# Altium PCB Control_PCB_v1.0.PcbDoc (part 1 of 2) (continued)
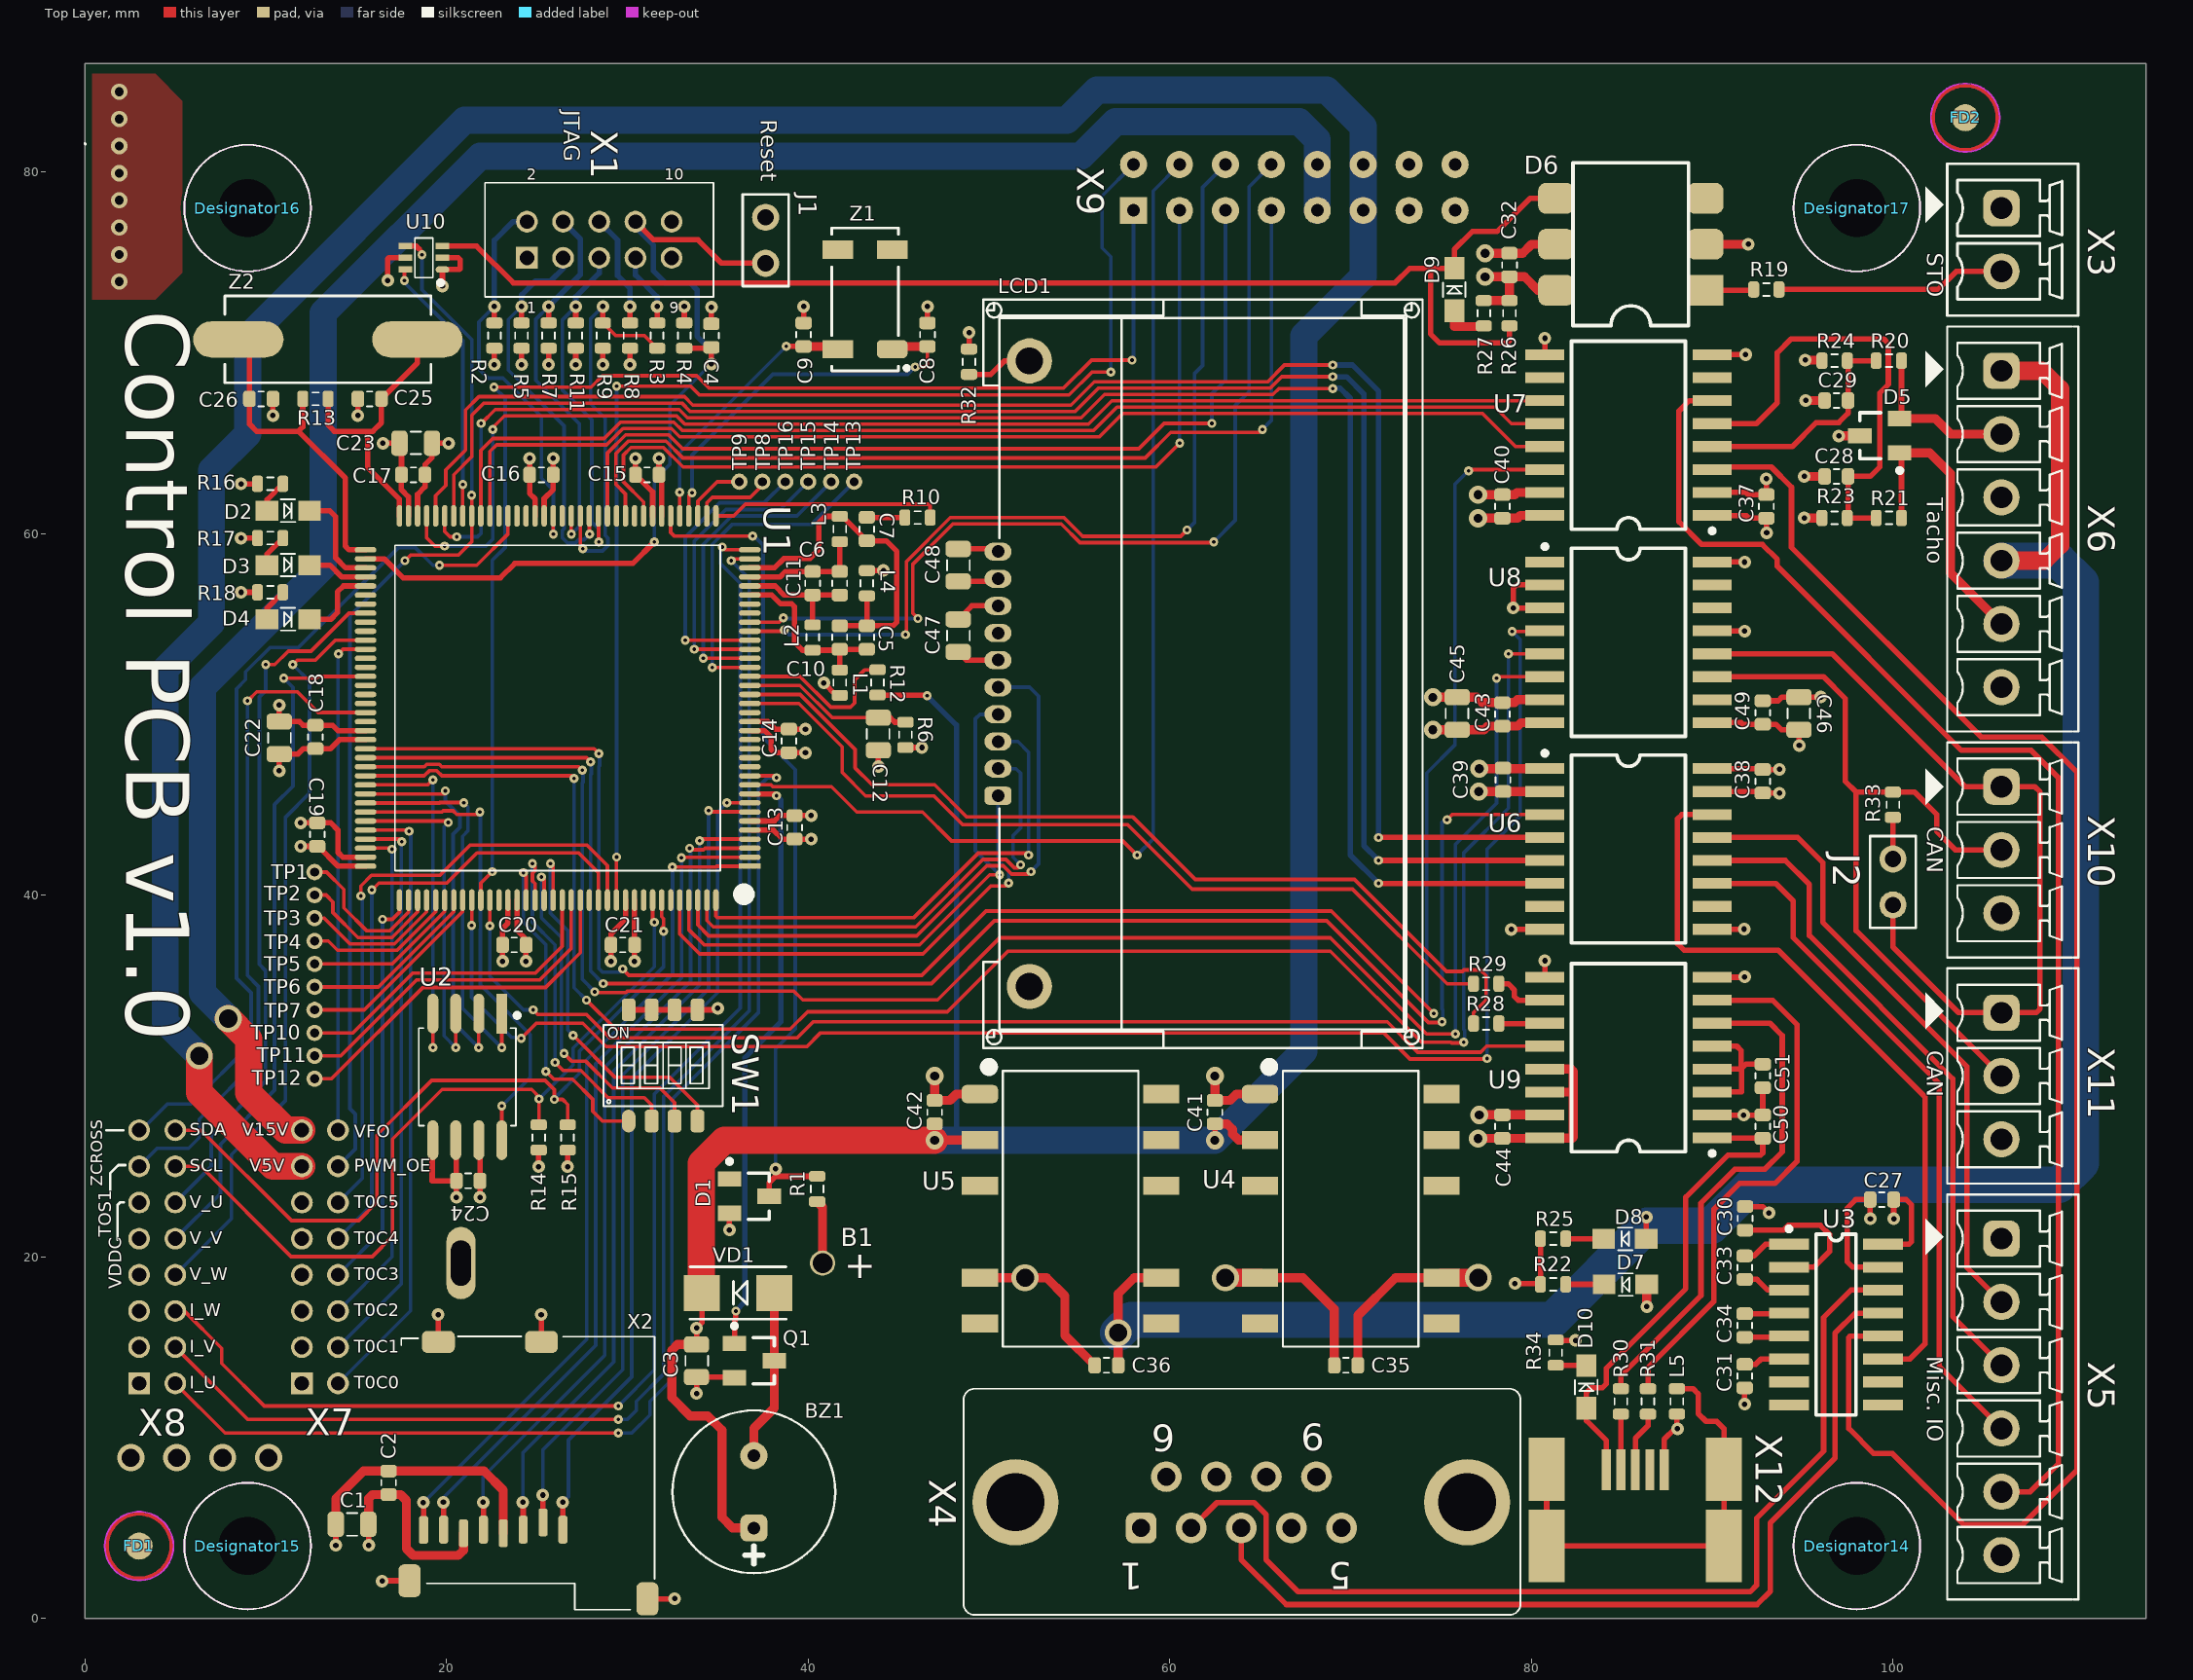
[diagram p0: Top Layer view]
## Footprints (in the part's own frame and the unit in brackets; to place one, negate y for a bottom-side part, rotate by r counter-clockwise, add the part's x,y. Pads: shape width x height; smd on the part's side, far side on the other; paste and mask are expansions set on the pad) (continued)
  silkscreen extent -4.5,-3.2 4.5,3.2, body extent -4.5,-3.2 4.5,3.2, height 5.08
"DISPLAY NHD-C0216CZ-FSW-FBW-3V3" [mm]
  rrect50% 1x1.5 hole 0.7: 1(13.5,0)
  oval 1x1.5 hole 0.7: 2(12,0) 3(10.5,0) 4(9,0) 5(7.5,0) 6(6,0) 7(4.5,0) 8(3,0) 9(1.5,0) 10(0,0)
  round 2.5 hole 1.5: 11(-10.55,1.738) 12(24.05,1.738)
  silkscreen extent -13.95,-0.81 27.45,23.49, body extent -13.89,-0.86 27.51,23.44, height 4.9
"FIDUCIAL ROUND" [mm] "FIDUCIAL ROUND"
  round 1.5 smd paste+0 mask+1.1: 0(0,0)
  round 1.5 smd far side paste+0 mask+1.1: 1(0,0)
  Top Layer circle w0.2: c0,0 r1.778
  Bottom Layer circle w0.2: c0,0 r1.778
  Keep-Out Layer circle w0.1: c0,0 r1.9
HDR1X2V [mm]
  round 1.5 hole 0.9: 1(0,0) 2(2.54,0)
  silkscreen extent -1.27,-1.27 3.81,1.27, body extent -1.27,-1.27 3.81,1.27, height 9
HOLE_3MM [mm]
  round 3 hole 3.2 unplated: 0(0,0)
  Keep-Out Layer circle w0.1: c0,0 r3.5
  silkscreen extent -3.5,-3.5 3.5,3.5
LQFP144 [mm]
  rect 1.2x0.3 smd mask+0.05: 1(-10.625,8.75)
  oval 1.2x0.3 smd mask+0.05: 2(-10.625,8.25) 3(-10.625,7.75) 4(-10.625,7.25) 5(-10.625,6.75) 6(-10.625,6.25) 7(-10.625,5.75) 8(-10.625,5.25) 9(-10.625,4.75) 10(-10.625,4.25) 11(-10.625,3.75) 12(-10.625,3.25) 13(-10.625,2.75) 14(-10.625,2.25) 15(-10.625,1.75) 16(-10.625,1.25) 17(-10.625,0.75) 18(-10.625,0.25) 19(-10.625,-0.25) 20(-10.625,-0.75) 21(-10.625,-1.25) 22(-10.625,-1.75) 23(-10.625,-2.25) 24(-10.625,-2.75) 25(-10.625,-3.25) 26(-10.625,-3.75) 27(-10.625,-4.25) 28(-10.625,-4.75) 29(-10.625,-5.25) 30(-10.625,-5.75) 31(-10.625,-6.25) 32(-10.625,-6.75) 33(-10.625,-7.25) 34(-10.625,-7.75) 35(-10.625,-8.25) 36(-10.625,-8.75) 73(10.625,-8.75) 74(10.625,-8.25) 75(10.625,-7.75) 76(10.625,-7.25) 77(10.625,-6.75) 78(10.625,-6.25) 79(10.625,-5.75) 80(10.625,-5.25) 81(10.625,-4.75) 82(10.625,-4.25) 83(10.625,-3.75) 84(10.625,-3.25) 85(10.625,-2.75) 86(10.625,-2.25) 87(10.625,-1.75) 88(10.625,-1.25) 89(10.625,-0.75) 90(10.625,-0.25) 91(10.625,0.25) 92(10.625,0.75) 93(10.625,1.25) 94(10.625,1.75) 95(10.625,2.25) 96(10.625,2.75) 97(10.625,3.25) 98(10.625,3.75) 99(10.625,4.25) 100(10.625,4.75) 101(10.625,5.25) 102(10.625,5.75) 103(10.625,6.25) 104(10.625,6.75) 105(10.625,7.25) 106(10.625,7.75) 107(10.625,8.25) 108(10.625,8.75)
  oval 0.3x1.2 smd mask+0.05: 37(-8.75,-10.625) 38(-8.25,-10.625) 39(-7.75,-10.625) 40(-7.25,-10.625) 41(-6.75,-10.625) 42(-6.25,-10.625) 43(-5.75,-10.625) 44(-5.25,-10.625) 45(-4.75,-10.625) 46(-4.25,-10.625) 47(-3.75,-10.625) 48(-3.25,-10.625) 49(-2.75,-10.625) 50(-2.25,-10.625) 51(-1.75,-10.625) 52(-1.25,-10.625) 53(-0.75,-10.625) 54(-0.25,-10.625) 55(0.25,-10.625) 56(0.75,-10.625) 57(1.25,-10.625) 58(1.75,-10.625) 59(2.25,-10.625) 60(2.75,-10.625) 61(3.25,-10.625) 62(3.75,-10.625) 63(4.25,-10.625) 64(4.75,-10.625) 65(5.25,-10.625) 66(5.75,-10.625) 67(6.25,-10.625) 68(6.75,-10.625) 69(7.25,-10.625) 70(7.75,-10.625) 71(8.25,-10.625) 72(8.75,-10.625) 109(8.75,10.625) 110(8.25,10.625) 111(7.75,10.625) 112(7.25,10.625) 113(6.75,10.625) 114(6.25,10.625) 115(5.75,10.625) 116(5.25,10.625) 117(4.75,10.625) 118(4.25,10.625) 119(3.75,10.625) 120(3.25,10.625) 121(2.75,10.625) 122(2.25,10.625) 123(1.75,10.625) 124(1.25,10.625) 125(0.75,10.625) 126(0.25,10.625) 127(-0.25,10.625) 128(-0.75,10.625) 129(-1.25,10.625) 130(-1.75,10.625) 131(-2.25,10.625) 132(-2.75,10.625) 133(-3.25,10.625) 134(-3.75,10.625) 135(-4.25,10.625) 136(-4.75,10.625) 137(-5.25,10.625) 138(-5.75,10.625) 139(-6.25,10.625) 140(-6.75,10.625) 141(-7.25,10.625) 142(-7.75,10.625) 143(-8.25,10.625) 144(-8.75,10.625)
  silkscreen extent -10.6,-9 9,10.6, body extent -10,-10 10,10, height 1.6
MCDHN-04F-T-V [mm]
  oval 0.76x1.25 smd mask+0.05: 1(-1.905,-3.075)
  rrect50% 0.76x1.25 smd mask+0.05: 2(-0.635,-3.075) 3(0.635,-3.075) 4(1.905,-3.075) 5(1.905,3.075) 6(0.635,3.075) 7(-0.635,3.075) 8(-1.905,3.075)
  silkscreen extent -3.3,-2.25 3.3,2.25, body extent -3.35,-2.35 3.35,2.35, height 1.42
mcv1.5-2-g_3.5 [mm] "mcv1.5-2-g_3.5"
  rrect50% 2x2 hole 1.2 mask+0.05: 1(0,0)
  round 2 hole 1.2 mask+0.05: 2(0,3.5)
  silkscreen extent -4.25,-2.45 3,5.95, body extent -4.27,-2.45 2.98,5.95, height 9.2
mcv1.5-3-g_3.5 [mm] "mcv1.5-3-g_3.5"
  rrect50% 2x2 hole 1.2 mask+0.05: 1(0,0)
  round 2 hole 1.2 mask+0.05: 2(0,3.5) 3(0,7)
  silkscreen extent -4.25,-2.45 3,9.45, body extent -4.24,-2.45 3.01,9.45, height 9.2
mcv1.5-6-g_3.5 [mm] "mcv1.5-6-g_3.5"
  rrect50% 2x2 hole 1.2 mask+0.05: 1(0,0)
  round 2 hole 1.2 mask+0.05: 2(0,3.5) 3(0,7) 4(0,10.5) 5(0,14) 6(0,17.5)
  silkscreen extent -4.25,-2.45 3,19.95, body extent -4.24,-2.44 3.01,19.96, height 9.2
"Quartz Crystal SMU4" [mm] "Quartz Crystal  SMU4"
  oval 5x2 smd: 1(-4.95,0) 2(4.95,0)
  silkscreen extent -5.7,-2.4 5.7,2.4, body extent -5.84,-2.42 5.72,2.42, height 3
"R-16N, AnalogDev SO-16" [mm] "Small Outline; 16 Leads; Body Width 4.9 mm; Pitch 1.27 mm"
  rect 0.6x2.2 smd: 1(-4.445,-2.6) 2(-3.175,-2.6) 3(-1.905,-2.6) 4(-0.635,-2.6) 5(0.635,-2.6) 6(1.905,-2.6) 7(3.175,-2.6) 8(4.445,-2.6) 9(4.445,2.6) 10(3.175,2.6) 11(1.905,2.6) 12(0.635,2.6) 13(-0.635,2.6) 14(-1.905,2.6) 15(-3.175,2.6) 16(-4.445,2.6)
  silkscreen extent -5.42,-2.72 5,1.1
"SANYO ML2430" [mm]
  oval 1.6x4 / inner oval 2x4 / far side oval 1.6x4 hole 1.1 slot 2.5 at 90 deg: 1(-10,0)
  oval 1.524x4 / inner round 1.3 / far side round 1.4 hole 1.1: 2(10,0)
  silkscreen extent -13.46,-11.68 9.91,11.68, body extent -13.46,-11.5 9.9,11.5, height 4.03
SMA [mm]
  rect 2x2 smd: A(-2,0) K(2,0)
  silkscreen extent -2.65,-1.45 2.65,1.45, body extent -2.65,-1.45 2.65,1.45, height 2.55
"SO-8  wide" [mm] "Small Outline; 8 Leads; Body Width 5.4 mm; Pitch 1.27 mm"
  rect 0.6x2.2 smd: 1(-1.905,-3.5)
  oval 0.6x2.2 smd: 2(-0.635,-3.5) 3(0.635,-3.5) 4(1.905,-3.5) 5(1.905,3.5) 6(0.635,3.5) 7(-0.635,3.5) 8(-1.905,3.5)
  silkscreen extent -2.88,-3.52 2.68,2.7, body extent -2.68,-4.15 2.67,4.1, height 2.16
SO-G16/D10.4 [mm] "Plastic Small Outline; 16 Leads; Body Width 7.5 mm"
  rect 0.6x2.15 smd: 1(0,0) 2(1.27,0) 3(2.54,0) 4(3.81,0) 5(5.08,0) 6(6.35,0) 7(7.62,0) 8(8.89,0) 9(8.89,9.25) 10(7.62,9.25) 11(6.35,9.25) 12(5.08,9.25) 13(3.81,9.25) 14(2.54,9.25) 15(1.27,9.25) 16(0,9.25)
  silkscreen extent -0.97,-0.12 9.64,7.77, body extent -0.76,1.14 9.65,8.13, height 1.5
SOT23 [mm] "SOT-23; 3 Leads; Body 3.0 x 2.6 mm, inc. leads (LxW max)"
  rect 0.85x1.3 smd: 1(0,0) 2(1.9,0) 3(0.95,2.2)
  silkscreen extent -1.1,-0.12 2.22,2.2, body extent -0.3,1 2.2,2.2, height 1
SOT363 [mm] "SOT23, 6-Leads, Body 2.2x2.2mm (max), Pitch 0.65mm, IPC Medium Density"
  oval 0.75x0.35 smd mask+0.06: 1(-1.025,0.65)
  rect 0.75x0.35 smd mask+0.06: 2(-1.025,0) 3(-1.025,-0.65) 4(1.025,-0.65) 5(1.025,0) 6(1.025,0.65)
  silkscreen extent -1.05,-1.1 0.5,1.5, body extent -0.67,-1.1 0.67,1.1, height 1.1
"Test Point 0.5 mm" [mm]
  round 0.9 hole 0.5 mask+0.05: 1(0,0)
"USB AB 56579-0576 Molex" [mm] "USB AB 56579-0576 Molex"
  rect 2.25x0.5 smd: 1(-6.225,-1.6) 2(-6.225,-0.8) 3(-6.225,0) 4(-6.225,0.8) 5(-6.225,1.6)
  rect 3.5x2 smd: S1(-6.25,-4.9) S4(-6.25,4.9)
  rect 4x2 smd: S2(-2,-4.9) S3(-2,4.9)
  body extent -6.97,-4.93 2.03,4.98, height 3.96
VEFT1_Sx_Dx_SMT [mm]
  rrect50% 1x2 smd: 1(0,0)
  rect 1x2 smd: 2(2.54,0) 3(5.08,0) 5(10.16,0) 6(12.7,0) 7(12.7,10.026) 8(10.16,10.026) 10(5.08,10.026) 11(2.54,10.026) 12(0,10.026)
  silkscreen extent -1.75,0.25 13.97,8.76, body extent -1.27,-0.62 13.97,10.63, height 6.35

## Part data
B1: "Rechargeable Litium battery, Sanyo, 100 mAh, 3.1 V"
BZ1: "Buzzer CST-951AP, 4,5...5,5 V,  85 dB,   80 mA"
C1 C3 C12 C22 C23 C45 C46: library part C2012X5R1C106K/0.85, "10 uF, 16V, X5R, ±10%, 0805"
C2 C4 C5 C6 C7 C13 C14 C15 C16 C17 C18 C19 C20 C21 C24 C27 C28 C29 C30 C31 C32 C33 C34 C35 C36 C37 C38 C39 C40 C41 C42 C43 C44 C49 C50 C51: library part CVNF100K0603-25, "0.1 uF, 25V, 10% , X7R,  0603 SMD MLC Capacitor"
C8 C9: library part CCPF015K0603, "15 pF, 50V, 5%, NP0, 0603 SMD MLC Capacitor"
C10 C11: library part CVNF010K0603, "10 nF, 50V, 5%, X7R, 0603 SMD MLC Capacitor"
C25 C26: "10 pF, 50V, 5%, NP0, 0603 SMD MLC Capacitor"
C47 C48: "1 uF, 16V, 10%, X7R, 0805"
D1: "Schottky Diode, 30 V, 200 mA, common cathode"
D2 D3 D4 D7 D8 D9 D10: "0805 red LED, hibright, 2 mA, 1.8V, 130°"
D5: "Dual transil array for ESD, 6.1 V, 300 W"
D6: "Optocoupler, SMD, 7500V,  1 Mbit, 1.6 mA"
J1: library part Jumper, "2 Pos. 2.54 mm Single Row Through Hole Straight Pin Header"
L1 L2 L3 L4 L5: "Ferrite bead, 330 Ohm, 100 MHz,  1.5 A, 0.07 Ohm"
LCD1: "LCD COG CHAR 2X16 WHT TRANSFL"
Q1: "N-channel MOSFET, 30V, 5A, 0.030 Ohm 3.3 V, SOT-23"
R1: library part RL0603K001-1, "1 K, 1%, 0603, SMD Resistor, Taped"
R2 R4 R5 R7 R8 R9 R11 R23 R24 R26: library part RL0603K010-1, "10 K, 1%, 0603, SMD Resistor, Taped"
R3: library part RL0603E100-1, "100 R, 1%, 0603, SMD Resistor, Taped"
R6 R10 R12: library part RL0603E000, "0 R, 5%, 0603, SMD Resistor, Taped"
R13: "1 M, 1%, 0603, SMD Resistor, Taped"
R14 R15 R25 R34: library part RL0603K004.7-1_1, "4.7 K, 1%, 0603, SMD Resistor, Taped"
R16 R17 R18 R19 R27: library part RL0603E510-1, "510 R, 1%, 0603, SMD Resistor, Taped"
R20 R21: library part RL0603E100-1_1, "100 R, 1%, 0603, SMD Resistor, Taped"
R22: library part RL0603K001-1_1, "1 K, 1%, 0603, SMD Resistor, Taped"
R28 R29 R30 R31 R32: library part RL0603E024-1_1, "24 R, 1%, 0603, SMD Resistor, Taped"
R33: library part RL0603E120-1, "120 R, 1%, 0603, SMD Resistor, Taped"
SW1: "SWITCH, DIP, SMD, 4 WAY, 1.27mm"
U1: "MK60 Series 32 Bit 1 MB Flash 128 KB Ram 120 Mhz Microcontroller - LQFP-144"
U2: library part AT45DB011D-SH-T, "IC DATAFLASH 1MBIT 2.7 V ~ 3.6 V 8-SOIC"
U3: "Low Power, 3.3 V, RS-232 Line Drivers/Receivers, 16-pin TSSOP16"
U4: "DC/DC 5V In 5V Out,  1W, -40..+85 C, 3KV"
U5: "DC/DC 5V In 12V Out,  1W, -40..+85 C, 3KV"
U6 U7: library part SI8440AB-D-IS, "IC ISOLATOR 4CH 5.5V 16-SOIC"
U8: "IC Isol TXRX CAN HS 16SOIC"
U9: "IC Isol USB 2.5K 16SOIC"
U10: "IC GATE ULP UNIV 2-INP SOT363"
VD1: library part 15MQ040N, "Schottky Power Rectifier 3A, 40V, SMA"
X1: library part 87831-1020, "CONN HEADER 10POS 2MM VERT GOLD"
X2: "microSD cadr holder"
X3: "HEADER, VERTICAL, 3.5MM, 2WAY"
X4: "AMP - 1-1634222-2 - SOCKET, D, PCB, THR/INSERT, 9WAY"
X5: "HEADER, VERTICAL, 3.5MM, 6WAY"
X6: library part MCV1.5/6-G-3.5, "HEADER, VERTICAL, 3.5MM, 6WAY"
X7 X8: "CONN HEADER 16POS 2MM VERT GOLD"
X9: "Board to Board & Mezzanine Connectors 16P VRT DR RECEPT .76 GOLD"
X10 X11: library part MCV1.5/3-G-3.5, "HEADER, VERTICAL, 3.5MM, 3WAY"
X12: library part "USB AB 56579-0576", "SMD USB - OTG, miniUSB Type AB"
Z1: library part MC306-32,768, "Crystal 32.768 kHz ±20 ppm 6 pF -40 to +85 °C SMT Tuning Fork Crystal"
Z2: "8 MHz, CSM-7 Case Series, SMD, Low Profile, Load Capacitance 18pF  ,Operating Temperature -10°C ~ 70°C"

## Via types
v1: diameter 0.5, hole 0.2, Top Layer to Bottom Layer, tented both sides, 122 vias
v2: diameter 0.7, hole 0.3, Top Layer to Bottom Layer, tented both sides, 100 vias
v3: diameter 1, hole 0.5, Top Layer to Bottom Layer, tented both sides, 14 vias
v4: diameter 0.9, hole 0.5, Top Layer to Bottom Layer, tented both sides, 8 vias
v5: diameter 1.5, hole 1, Top Layer to Bottom Layer, tented both sides, 6 vias
v6: diameter 1.5, hole 1, Top Layer to Bottom Layer, 4 vias

## Nets (pads, with @x,y where several pads share a name; then routed paths per layer and width w, separated by ;. In a path a pad name is that pad's centre, name@x,y a point inside that pad or via, vN(x,y) a via of type N, cw(c..) or ccw(c..) an arc to the next point about the centre after c; other vN are vias at no path point)
5V_MEAS: U1.47 X9.7 | length 53.1
  Top Layer w0.2: U1.47@29.9,60.975 29.9,62.188 29.368,62.72 29.368,64.425 30.057,65.114 32.143,65.114 33.072,64.186 58.649,64.186 60.054,65.591 64.956,65.591 v1(65.126,65.761)
  Bottom Layer w0.2: v1(65.126,65.761) 65.62,66.255 X9.7@65.62,77.87
15V_MEAS: U1.49 X9.5 | length 50.3
  Top Layer w0.2: U1.49@28.9,60.975 28.9,64.452 29.912,65.464 32.288,65.464 33.059,64.694 58.293,64.694 59.69,66.091 v1(62.332,66.091)
  Bottom Layer w0.2: v1(62.332,66.091) 62.332,67.73 63.08,68.478 X9.5@63.08,77.87
AGND: C5.2 C7.2 C10.2 L3.1 L4.2 U1.34 | length 19.8
  Top Layer w0.3: U1.34@36.775,58.1 38.136,58.1 38.659,58.623 40.107,58.623 40.589,59.106 40.589,60.604 40.935,60.95 L3.1@41.75,60.95 41.9,60.95 C7.2@43.25,59.6 44.311,59.6 44.907,59.004 44.907,55.107 44.7,54.9 C5.2@43.25,54.9 ; C10.2@41.75,54.9 C5.2@43.25,54.9 ; L4.2@43.25,56.55 C5.2@43.25,54.9
BR_ON: U1.133 X9.2 | length 68.9
  Top Layer w0.2: U1.133@29.4,39.725 29.4,42.1 v1(29.413,42.113) ; v1(29.413,68.148) 33.503,68.148 33.985,67.666 54.432,67.666 55.702,68.936 v1(56.744,68.936)
  Bottom Layer w0.2: v1(29.413,42.113) v1(29.413,68.148) ; v1(56.744,68.936) 56.744,75.311 56.261,75.794 56.261,78.671 X9.2@58,80.41
BUZZ: Q1.1 U1.9 | length 33
  Top Layer w0.3: Q1.1@35.927,15.2 35.927,16.479 36,16.552 v1(36,17) ; U1.9@36.775,45.6 38.15,45.6 v1(38.25,45.5)
  Bottom Layer w0.3: v1(36,17) 36.5,17.5 36.5,31 38.5,33 38.5,45.25 v1(38.25,45.5)
CAN_RX: U1.98 U8.5 | length 102
  Top Layer w0.2: U1.98@15.525,46.6 18.766,46.6 19.046,46.88 19.46,46.88 19.741,46.6 26.908,46.6 v1(27.051,46.457) ; v1(27.743,34.194) 29.349,32.588 39.007,32.588 39.973,33.553 47.701,33.553 51.054,36.906 68.885,36.906 73.929,31.862 75.559,31.862 75.599,31.822 76.013,31.822 76.054,31.862 v1(76.266,31.862) ; v1(78.74,53.34) 78.75,53.35 U8.5@80.75,53.35
  Bottom Layer w0.2: v1(27.051,46.457) 27.051,34.886 v1(27.743,34.194) ; v1(76.266,31.862) 76.306,31.902 76.306,32.529 76.266,32.569 76.266,42.352 78.73,44.816 78.73,53.33 v1(78.74,53.34)
CAN_SENS: U1.117 U8.4 | length 90.8
  Top Layer w0.2: v1(21.387,38.329) 21.4,38.342 U1.117@21.4,39.725 ; v1(24.13,32.08) 24.968,32.918 27.534,32.918 28.829,31.623 39.929,31.623 40.691,32.385 71.831,32.385 73.279,30.937 77.521,30.937 v1(77.546,30.963) ; v1(78.943,54.585) 80.715,54.585 U8.4@80.75,54.62
  Bottom Layer w0.2: v1(21.387,38.329) 21.387,34.341 23.597,32.131 24.181,32.131 v1(24.13,32.08) ; v1(77.546,30.963) 77.546,42.545 79.375,44.374 79.375,54.153 v1(78.943,54.585)
CAN_TX: U1.97 U8.6 | length 99.6
  Top Layer w0.2: U1.97@15.525,47.1 18.771,47.1 18.901,47.23 19.605,47.23 19.736,47.1 27.327,47.1 v1(27.511,46.916) ; v1(28.202,34.654) 28.243,34.614 29.915,34.614 29.997,34.696 39.21,34.696 39.703,34.203 47.157,34.203 50.597,37.643 68.885,37.643 74.206,32.322 v1(75.806,32.322) ; v1(78.08,51.994) 78.166,52.08 U8.6@80.75,52.08
  Bottom Layer w0.2: v1(27.511,46.916) 27.551,46.876 27.551,46.249 27.511,46.209 27.511,35.346 v1(28.202,34.654) ; v1(75.806,32.322) 75.806,42.812 78.08,45.085 v1(78.08,51.994)
COOLER_ON: U1.10 X9.4 | length 62.2
  Top Layer w0.2: U1.10@36.775,46.1 37.943,46.1 38.043,46 41.3,46 42.697,44.602 46.33,44.602 47.93,43.002 57.404,43.002 v1(58.191,42.215)
  Bottom Layer w0.2: v1(58.191,42.215) 59.08,43.104 59.08,78.95 X9.4@60.54,80.41
DGND: B1.1 C1.2 C2.2 C3.1 C4.2 C8.2 C9.2 C12.2 C13.1 C14.1 C15.1 C16.1 C17.1 C18.1 C19.1 C20.1 C21.1 C22.2 C23.2 C24.2 C25.2 C26.2 C32.1 C39.2 C40.2 C41.1 C42.1 C43.1 C44.2 C45.2 C47.1 D6.5 J1.2 L4.1 LCD1.6 LCD1.12 Q1.2 R8.2 R11.2 SW1.5 SW1.6 SW1.7 SW1.8 U1.6 U1.17 U1.44 U1.57 U1.71 U1.93 U1.107 U1.121 U1.134 U2.7 U4.1 U5.1 U6.2 U6.8 U7.9 U7.15 U8.2 U8.3 U8.8 U9.9 U9.15 U10.1 U10.2 X1.1 X1.10 X2.6 X2.9 X2.10 X2.11 X2.12 X7.1 X7.3 X7.5 X7.7 X7.9 X7.11 X8.1 X8.3 X8.5 X8.7 X8.9 X9.15 X9.16 | length 116.1
  Top Layer w0.3: v2(10.4,66.536) C26.2@10.4,67.45 ; v2(10.75,50.514) C22.2@10.75,49.6 11.868,49.6 12.068,49.4 C18.1@12.75,49.4 13.694,49.4 13.994,49.1 U1.93@15.525,49.1 ; v2(11.936,44) C19.1@12.85,44 13.6,44 14,43.6 14,42.363 14.263,42.1 U1.107@15.525,42.1 ; v2(15.1,66.536) C25.2@15.1,67.45 ; v2(15.697,4.039) C1.2@15.697,5.207 ; v2@16.463,2.082 X2.9@17.961,2.082 ; v2(16.486,65) C23.2@17.4,65 17.511,64.889 C17.1@17.511,63.25 17.5,63.239 17.5,62.435 17.9,62.035 U1.71@17.9,60.975 ; X2.12@19.551,15.291 v2@19.551,16.789 ; v2(19.775,73.686) U10.1@19.775,74.6 20.706,74.6 20.753,74.647 20.753,75.155 20.658,75.25 U10.2@19.775,75.25 ; v2(21.85,23.286) C24.2@21.85,24.2 U2.7@21.85,26.385 ; v2(23.1,36.336) C20.1@23.1,37.25 23.1,38.162 23.4,38.462 U1.121@23.4,39.725 ; v2(24.6,64.164) C16.1@24.6,63.25 24.6,62.217 24.9,61.917 U1.57@24.9,60.975 ; X2.11@25.251,15.291 v2@25.251,16.789 ; v2(27.15,69.336) R11.2@27.15,70.25 ; v2(29.1,36.336) C21.1@29.1,37.25 29.1,37.863 29.9,38.663 U1.134@29.9,39.725 ; SW1.8@30.074,33.657 SW1.7@31.344,33.657 SW1.6@32.614,33.657 SW1.5@33.884,33.657 34.907,33.657 v2(35,33.75) ; v2(30.15,69.336) R8.2@30.15,70.25 ; v2(30.45,64.164) C15.1@30.45,63.25 31.4,62.3 U1.44@31.4,60.975 ; X2.10@31.111,1.082 v2@32.608,1.082 ; v2(33.827,12.436) C3.1@33.827,13.35 Q1.2@35.877,13.35 ; C4.2@34.65,71.6 v2(34.65,72.514) ; U1.6@36.775,44.1 38.131,44.1 38.431,44.4 C13.1@39.25,44.4 v2(40.164,44.4) ; U1.17@36.775,49.6 37.776,49.6 38.194,49.182 C14.1@38.938,49.182 v2(39.852,49.182) ; C9.2@39.75,71.65 v2(39.75,72.564) ; L4.1@43.25,57.95 v2(44.164,57.95) ; v2(43.884,47.102) C12.2@43.884,48.016 ; C8.2@46.6,71.65 v2(46.6,72.564) ; C47.1@48.3,53.45 48.75,53 LCD1.6@50.5,53 ; v2(78.893,38.1) U6.8@79.807,38.1 ; U8.3@79.908,55.88 v2(78.994,55.88) 78.994,56.973 79.182,57.16 U8.2@80.75,57.16 ; U9.9@80.75,35.46 v2(80.75,36.374) ; U7.9@80.75,69.89 v2(80.75,70.804)
  Top Layer w0.5: C1.2@15.697,5.207 15.697,6.629 15.918,6.85 C2.2@16.8,6.85 17.458,6.85 17.78,6.528 17.78,3.861 18.161,3.48 20.65,3.48 20.941,3.771 X2.6@20.941,4.709 ; v3@47,29.988 C42.1@47,28.65 47.852,28.65 48.202,29 U5.1@49.5,29 ; v3@62.5,29.988 C41.1@62.5,28.65 63.346,28.65 63.696,29 U4.1@65,29 ; v3@74.562,49.15 C45.2@75.9,49.15 77.395,49.15 77.595,49.35 C43.1@78.4,49.35 79.246,49.35 79.436,49.54 U8.8@80.75,49.54 ; v3@77.062,62.15 C40.2@78.4,62.15 79.092,62.15 79.212,62.27 U7.15@80.75,62.27 ; v3@77.098,45.73 C39.2@78.435,45.73 U6.2@80.75,45.73 ; v3@77.123,27.85 80.74,27.85 U9.15@80.75,27.84 ; v3@77.453,75.504 C32.1@78.791,75.504 79.517,75.504 80.013,76 D6.5@81.375,76
  other v2: 32.623,1.096 16.448,2.067 19.536,16.804 25.236,16.804
  other v3: 77.116,27.843 46.993,29.995 62.493,29.995 77.091,45.723 74.555,49.143 77.055,62.143 77.446,75.497
  other v4: 1.898,73.932 1.898,75.432 1.898,76.932 1.898,78.432 1.898,79.932 1.898,81.432 1.898,82.932 1.898,84.432
  other v6: 2.54,8.89 5.08,8.89 7.62,8.89 10.16,8.89
DSPL_RS: LCD1.2 U1.143 | length 27.2
  Top Layer w0.2: U1.143@34.4,39.725 34.4,38.6 34.75,38.25 45.946,38.25 49.669,41.973 50.94,41.973 51.397,41.515 51.584,41.515 v1(51.75,41.681)
  Bottom Layer w0.2: LCD1.2@50.5,47 51.5,47 51.75,46.75 51.75,43.713 51.333,43.297 51.333,42.098 v1(51.75,41.681)
DSPL_RST: LCD1.1 U1.140 | length 27.2
  Top Layer w0.2: U1.140@32.9,39.725 32.9,37.85 34,36.75 46.351,36.75 50.114,40.513 50.936,40.513 v1(51.088,40.665)
  Bottom Layer w0.2: LCD1.1@50.5,45.5 50.5,41.918 51.088,41.33 v1(51.088,40.665)
DSPL_SCB: LCD1.3 U1.144 | length 27.4
  Top Layer w0.2: U1.144@34.9,39.725 34.9,38.85 35,38.75 45.837,38.75 49.409,42.323 52.092,42.323 v1(52.2,42.215)
  Bottom Layer w0.2: LCD1.3@50.5,48.5 51.6,48.5 52.2,47.9 v1(52.2,42.215)
DSPL_SCL: LCD1.4 U1.141 | length 31.3
  Top Layer w0.2: U1.141@33.4,39.725 33.4,38.1 34.25,37.25 46.165,37.25 50.038,41.123 v1(50.588,41.123)
  Bottom Layer w0.2: LCD1.4@50.5,50 49.5,50 49.25,49.75 49.25,42.461 v1(50.588,41.123)
DSPL_SI: LCD1.5 U1.142 | length 34.2
  Top Layer w0.2: U1.142@33.9,39.725 33.9,38.35 34.5,37.75 46.005,37.75 49.878,41.623 50.795,41.623 51.252,41.165 52.189,41.165 v1(52.324,41.3)
  Bottom Layer w0.2: LCD1.5@50.5,51.5 52.25,51.5 52.75,51 52.75,41.726 v1(52.324,41.3)
ENC1: U1.62 U7.13 | length 63.9
  Top Layer w0.2: U1.62@22.4,60.975 22.4,64.539 22.772,64.911 28.863,64.911 29.767,65.814 32.433,65.814 32.895,65.352 56.106,65.352 57.398,66.644 77.292,66.644 79.126,64.81 U7.13@80.75,64.81
ENC2: U1.63 U7.12 | length 64.2
  Top Layer w0.2: U1.63@21.9,60.975 21.9,64.597 22.563,65.261 28.718,65.261 29.622,66.164 32.578,66.164 33.04,65.702 55.796,65.702 57.088,66.994 77.989,66.994 78.903,66.08 U7.12@80.75,66.08
EXTAL: C25.1 R13.2 U1.72 Z2.2 | length 15.6
  Top Layer w0.3: R13.2@13.45,67.45 13.45,66.001 13.792,65.659 15.646,65.659 ; U1.72@17.4,60.975 17.4,61.899 15.646,63.652 15.646,65.659 ; Z2.2@18.387,70.739 18.387,69.437 C25.1@16.4,67.45 16.4,66.133 15.926,65.659 15.646,65.659
I_BUS+: U1.27 X9.6 | length 51
  Top Layer w0.2: U1.27@36.775,54.6 38.623,54.6 v1(38.684,54.661) ; v1(45.39,54.407) 45.446,54.463 45.446,58.463 47.861,60.878 54.145,60.878 55.181,59.842 60.604,59.842 v1(60.96,60.198)
  Bottom Layer w0.2: v1(38.684,54.661) 38.938,54.407 v1(45.39,54.407) ; v1(60.96,60.198) 61.366,60.604 61.366,68.834 61.824,69.291 61.824,79.154 X9.6@63.08,80.41
I_BUS-: U1.28 X9.8 | length 52.7
  Top Layer w0.2: U1.28@36.775,55.1 38.397,55.1 v1(38.633,55.336) ; v1(46.076,55.296) 45.796,55.575 45.796,58.318 48.006,60.528 54,60.528 55.036,59.492 62.388,59.492 v1(62.433,59.538)
  Bottom Layer w0.2: v1(38.633,55.336) 38.674,55.296 v1(46.076,55.296) ; v1(62.433,59.538) 63.627,60.731 63.627,67.081 64.389,67.843 64.389,79.179 X9.8@65.62,80.41
I_U: U1.11 X8.2 | length 67.8
  Top Layer w0.2: X8.2@5,13 7.75,10.25 v1(29.5,10.25) ; U1.11@36.775,46.6 38.15,46.6 v1(38.25,46.5)
  Bottom Layer w0.2: v1(29.5,10.25) 30.25,10.25 31.25,11.25 31.25,12 32.461,13.211 32.461,28.711 37.25,33.5 37.25,46 37.75,46.5 v1(38.25,46.5)
I_V: U1.35 X8.4 | length 78.4
  Top Layer w0.2: X8.4@5,15 9,11 v1(29.5,11) ; v1(35.75,58.5) 35.85,58.6 U1.35@36.775,58.6
  Bottom Layer w0.2: v1(29.5,11) 30,11 30.5,11.5 30.5,12 32,13.5 32,28.85 36.75,33.6 36.75,57.5 v1(35.75,58.5)
I_W: U1.36 X8.6 | length 79.5
  Top Layer w0.2: X8.6@5,17 5.5,17 7.569,14.931 7.569,14.097 9.916,11.75 v1(29.5,11.75) ; v1(35.25,59.25) 35.4,59.1 U1.36@36.775,59.1
  Bottom Layer w0.2: v1(29.5,11.75) 31.501,13.751 31.501,29.001 36.25,33.75 36.25,57.255 35.15,58.355 35.15,59.15 v1(35.25,59.25)
IGND: C27.2 C28.1 C29.1 C30.2 C31.1 C35.1 C36.1 C37.2 C38.2 C46.2 C49.1 C50.2 C51.2 D5.3 D6.2 L5.1 R22.1 R25.1 R34.1 U3.15 U4.5 U5.5 U6.9 U6.15 U7.2 U7.8 U8.9 U8.16 U9.2 U9.8 X4.5 X4.10 X4.11 X5.6 X6.3 X6.6 X10.3 X11.3 X12.5 | length 68.9
  Top Layer w0.3: v2(79.096,18.517) 80.461,18.517 R22.1@80.503,18.475 R25.1@80.503,21 ; R34.1@81.35,15.4 81.364,15.4 81.331,15.367 v2(82.448,15.367) ; X12.5@87.35,8.225 87.35,9.905 87.935,10.49 v2(88.087,10.49) 88.05,10.527 L5.1@88.05,11.3 ; U9.2@90,27.84 v2(91.745,27.84) 92.79,27.84 C50.2@92.8,27.85 C51.2@92.8,29.35 ; U9.8@90,35.46 91.772,35.46 v2(91.796,35.484) ; U6.9@90,38.11 91.755,38.11 v2(91.77,38.125) ; U6.15@90,45.73 92.72,45.73 C38.2@92.8,45.65 93.72,45.65 v2(93.726,45.644) ; U8.9@90,49.54 91.608,49.54 91.698,49.45 C49.1@92.8,49.45 93.527,49.45 93.827,49.15 C46.2@94.8,49.15 94.8,48.304 v2(94.818,48.285) ; U8.16@90,58.43 91.786,58.43 v2(91.796,58.42) ; U7.2@90,62.27 90.011,62.281 91.872,62.281 92.003,62.15 C37.2@93,62.15 v2(93,63.032) ; U7.8@90,69.89 91.836,69.89 v2(91.846,69.901) ; v2(91.8,11.841) C31.1@91.8,12.75 ; C30.2@91.821,22.773 92.797,22.773 v2(93.142,22.428) ; v2(98.751,22.098) 98.74,22.108 C27.2@98.74,23.165 97.942,23.165 97.46,22.682 97.46,19.736 97.771,19.425 U3.15@99.45,19.425
  Top Layer w0.5: U5.5@49.5,18.84 53.194,18.84 54.2,17.834 54.2,15.65 C36.1@55.85,14 ; U4.5@65,18.84 67.368,18.84 69.1,17.108 C35.1@69.1,14 ; D6.2@89.625,76 v2(92,76) ; v2(95.098,63.17) 95.106,63.161 C28.1@96.218,63.161 ; v2@95.174,67.361 C29.1@96.218,67.361 ; v2(97.003,65.405) 97.009,65.411 D5.3@98.173,65.411
  Top Layer w1: v5@63.068,18.847 v5(63.075,18.84) U4.5@65,18.84
  Bottom Layer w0.3: v2@91.796,11.836 v2(91.8,11.841)
  other v2: 95.174,67.361
  other v5: 52,18.84
IIN1: U7.6 X5.5 | length 77
  Top Layer w0.3: U7.6@90,67.35 88.737,67.35 88.163,66.777 88.163,60.655 89.423,59.396 92.776,59.396 93.599,58.572 93.599,58.191 103.784,48.006 107.645,48.006 109.144,46.507 109.144,8.554 107.59,7 X5.5@106,7
IN1: U1.69 U7.11 | length 70.6
  Top Layer w0.2: U1.69@18.9,60.975 18.9,59.764 19.355,59.309 v1(19.888,59.309) ; v1(22.555,65.761) 22.555,65.862 23.207,66.514 32.723,66.514 33.185,66.052 55.511,66.052 56.803,67.344 66.39,67.344 66.396,67.35 U7.11@80.75,67.35
  Bottom Layer w0.2: v1(19.888,59.309) 22.184,59.309 22.555,59.68 v1(22.555,65.761)
IOUT1: U6.13 X5.2 | length 35.1
  Top Layer w0.3: U6.13@90,43.19 94.732,43.19 96.114,41.808 96.114,38.506 104.089,30.531 104.089,19.411 X5.2@106,17.5
IOUT2: U6.12 X5.3 | length 36.9
  Top Layer w0.3: U6.12@90,41.92 94.046,41.92 95.377,40.589 95.377,37.77 103.302,29.845 103.302,16.698 X5.3@106,14
IOUT3: U6.11 X5.4 | length 38.8
  Top Layer w0.3: U6.11@90,40.65 93.513,40.65 94.488,39.675 94.488,37.643 102.565,29.566 102.565,13.935 X5.4@106,10.5
IV5V: C27.1 C35.2 C37.1 C38.1 C46.1 C49.2 D7.1 R23.1 R24.1 U3.16 U4.8 U6.16 U7.1 U8.13 X3.1 X5.1 | length 32
  Top Layer w0.3: U6.16@90,47 92.75,47 C38.1@92.8,46.95 93.711,46.95 v2(93.726,46.965) ; U8.13@90,54.62 91.786,54.62 v2(91.796,54.61) ; U7.1@90,61 90.015,60.985 91.897,60.985 92.033,60.85 C37.1@93,60.85 93,60.06 v2(93.015,60.046) ; C49.2@92.8,50.75 93.651,50.75 93.851,50.95 C46.1@94.8,50.95 96.01,50.95 v2(96.012,50.952) ; U3.16@99.45,20.695 100.883,20.695 101.016,20.828 101.016,22.885 100.736,23.165 C27.1@100.04,23.165 100.04,22.108 v2(100.051,22.098)
  Top Layer w0.5: C35.2@70.4,14 70.4,16.755 72.485,18.84 U4.8@75.026,18.84 ; D7.1@86.378,18.475 86.378,17.254 v2(86.385,17.247) ; v2(95.098,60.858) 95.1,60.861 R23.1@96.073,60.861 ; v2(95.148,69.596) 96.038,69.596 R24.1@96.073,69.561
  Top Layer w1: U4.8@75.026,18.84 77.057,18.84 v5(77.064,18.847)
IV12V: C36.2 D8.1 U5.8 X6.1 X6.4 | length 117.9
  Top Layer w0.3: D8.1@86.353,21 86.353,22.192 v2(86.36,22.2)
  Top Layer w0.5: C36.2@57.15,14 57.15,17.958 58.032,18.84 U5.8@59.526,18.84
  Top Layer w1: X6.4@106,58.5 108.386,58.5 109.245,59.36 109.245,68.005 108.25,69 X6.1@106,69
  Bottom Layer w2: v5(57.15,15.799) 57.861,16.51 81.178,16.51 86.385,21.717 89.967,21.717 92.227,23.978 109.195,23.978 110.388,25.171 110.388,57.277 109.165,58.5 X6.4@106,58.5